# KiCad board pcb-40.kicad_pcb
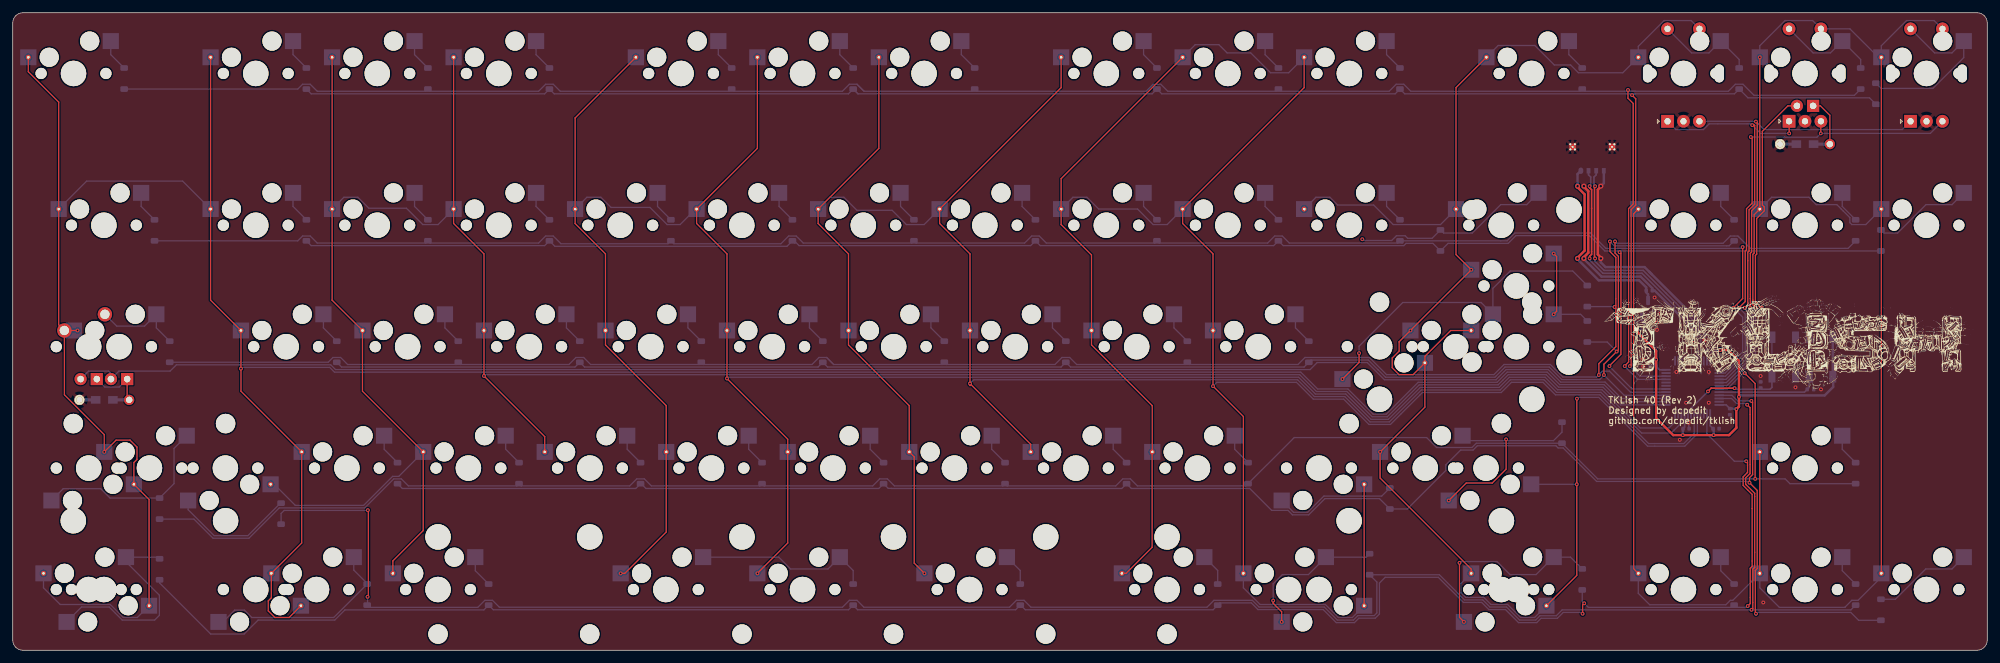
[diagram p0: board, top side]
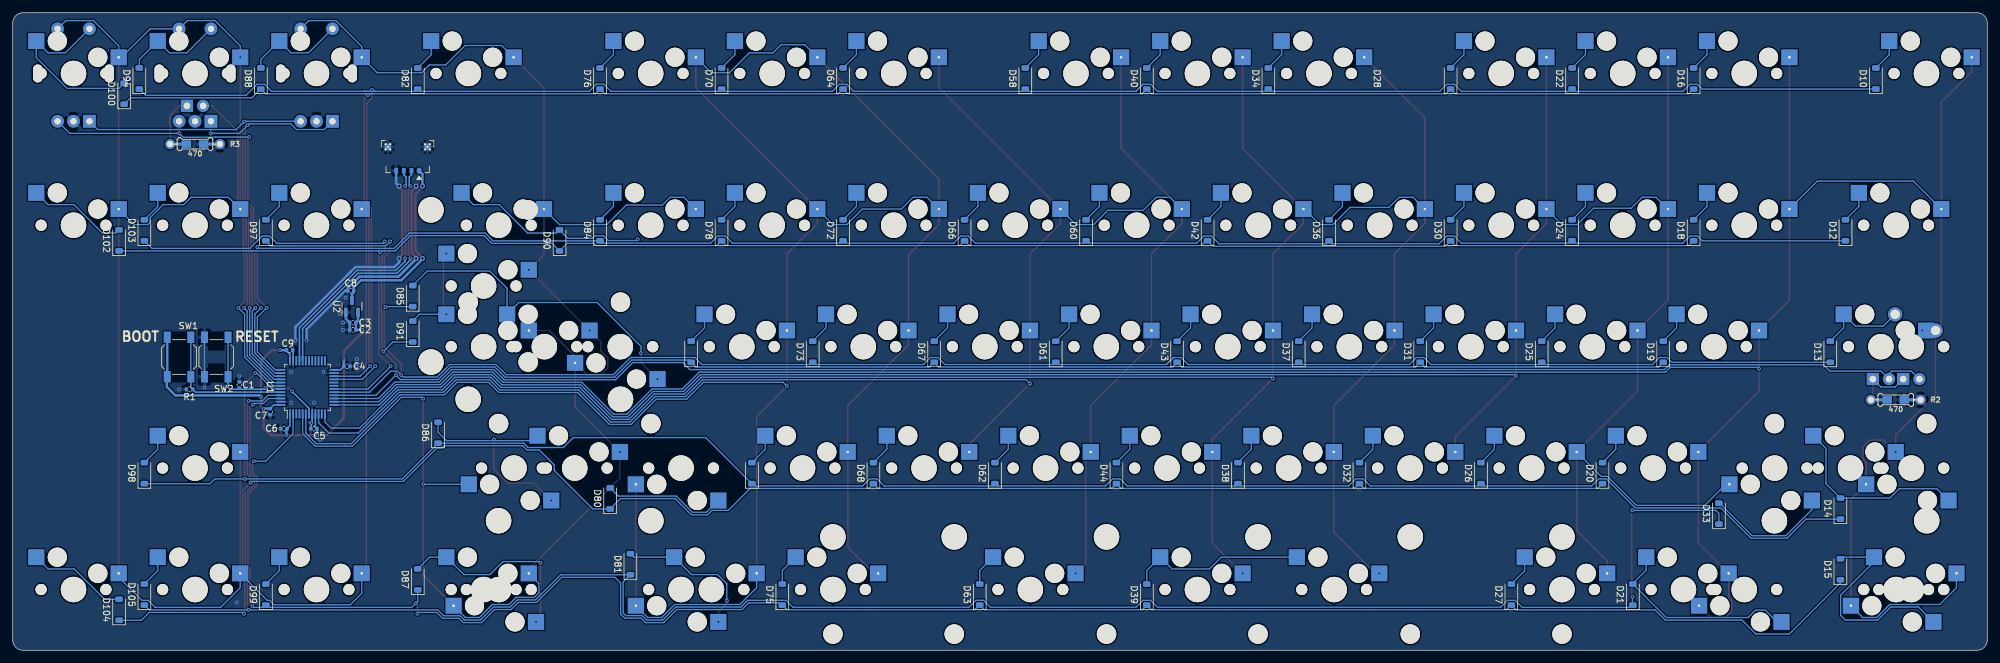
[diagram p1: board, bottom side, seen from below]

Outline 309.56 x 100.01 mm; copper layers: Top, Bottom. Coordinates in mm from the lower left corner of the outline.
Outline path: 0,98.42 0,1.59 arc(0.46,0.46) 1.59,0 307.98,0 arc(309.1,0.47) 309.56,1.59 309.56,98.42 arc(309.1,99.55) 307.98,100.01 1.59,100.01 arc(0.46,99.55) 0,98.42
Stack: Top 0.035mm / dielectric 1.51mm FR4 er 4.5 / Bottom 0.035mm

## Placement (name value [footprint] x y rotation side)
C1  100nF  [C_0402_1005Metric]  274.03 41.62 270 bottom
C2  4.7uF  [C_0402_1005Metric]  256.25 50.26 0 bottom
C3  100nF  [C_0402_1005Metric]  256.25 51.4 0 bottom
C4  100nF  [C_0402_1005Metric]  257.17 44.55 180 bottom
C5  100nF  [C_0402_1005Metric]  262.35 34.77 0 bottom
C6  100nF  [C_0402_1005Metric]  267.05 34.77 0 bottom
C7  100nF  [C_0402_1005Metric]  269.21 37.43 270 bottom
C8  1uF  [C_0402_1005Metric]  256.57 56.42 180 bottom
C9  1uF  [C_0402_1005Metric]  266.16 47.09 0 bottom
D10  ~  [D_SOD-123]  17.46 89.69 90 bottom
D12  ~  [D_SOD-123]  22.22 65.88 90 bottom
D13  ~  [D_SOD-123]  24.61 46.83 90 bottom
D14  ~  [D_SOD-123]  23.02 22.22 90 bottom
D15  ~  [D_SOD-123]  23.02 12.7 90 bottom
D16  ~  [D_SOD-123]  46.04 89.69 90 bottom
D18  ~  [D_SOD-123]  46.04 65.88 90 bottom
D19  ~  [D_SOD-123]  50.8 46.83 90 bottom
D20  ~  [D_SOD-123]  60.32 27.78 90 bottom
D21  ~  [D_SOD-123]  55.56 8.73 90 bottom
D22  ~  [D_SOD-123]  65.09 89.69 90 bottom
D24  ~  [D_SOD-123]  65.09 65.88 90 bottom
D25  ~  [D_SOD-123]  69.85 46.83 90 bottom
D26  ~  [D_SOD-123]  79.38 27.78 90 bottom
D27  ~  [D_SOD-123]  74.61 8.73 90 bottom
D28  ~  [D_SOD-123]  84.14 89.69 90 bottom
D30  ~  [D_SOD-123]  84.14 65.88 90 bottom
D31  ~  [D_SOD-123]  88.9 46.83 90 bottom
D32  ~  [D_SOD-123]  98.42 27.78 90 bottom
D33  ~  [D_SOD-123]  42.07 21.43 90 bottom
D34  ~  [D_SOD-123]  112.71 89.69 90 bottom
D36  ~  [D_SOD-123]  103.19 65.88 90 bottom
D37  ~  [D_SOD-123]  107.95 46.83 90 bottom
D38  ~  [D_SOD-123]  117.47 27.78 90 bottom
D39  ~  [D_SOD-123]  131.76 8.73 90 bottom
D40  ~  [D_SOD-123]  131.76 89.69 90 bottom
D42  ~  [D_SOD-123]  122.24 65.88 90 bottom
D43  ~  [D_SOD-123]  127 46.83 90 bottom
D44  ~  [D_SOD-123]  136.53 27.78 90 bottom
D58  ~  [D_SOD-123]  150.81 89.69 90 bottom
D60  ~  [D_SOD-123]  141.29 65.88 90 bottom
D61  ~  [D_SOD-123]  146.05 46.83 90 bottom
D62  ~  [D_SOD-123]  155.58 27.78 90 bottom
D63  ~  [D_SOD-123]  157.96 8.73 90 bottom
D64  ~  [D_SOD-123]  179.39 89.69 90 bottom
D66  ~  [D_SOD-123]  160.34 65.88 90 bottom
D67  ~  [D_SOD-123]  165.1 46.83 90 bottom
D68  ~  [D_SOD-123]  174.62 27.78 90 bottom
D70  ~  [D_SOD-123]  198.44 89.69 90 bottom
D72  ~  [D_SOD-123]  179.39 65.88 90 bottom
D73  ~  [D_SOD-123]  184.15 46.83 90 bottom
D74  ~  [D_SOD-123]  193.67 27.78 90 bottom
D75  ~  [D_SOD-123]  188.91 8.73 90 bottom
D76  ~  [D_SOD-123]  217.49 89.69 90 bottom
D78  ~  [D_SOD-123]  198.44 65.88 90 bottom
D79  ~  [D_SOD-123]  203.2 46.83 90 bottom
D80  ~  [D_SOD-123]  215.9 23.81 90 bottom
D81  ~  [D_SOD-123]  212.72 13.49 90 bottom
D82  ~  [D_SOD-123]  246.06 89.69 90 bottom
D84  ~  [D_SOD-123]  217.49 65.88 90 bottom
D85  ~  [D_SOD-123]  246.86 55.56 90 bottom
D86  ~  [D_SOD-123]  242.89 34.13 90 bottom
D87  ~  [D_SOD-123]  246.06 11.11 90 bottom
D88  ~  [D_SOD-123]  270.67 89.69 90 bottom
D90  ~  [D_SOD-123]  223.84 64.29 90 bottom
D91  ~  [D_SOD-123]  246.86 50.01 90 bottom
D94  ~  [D_SOD-123]  289.72 89.69 90 bottom
D97  ~  [D_SOD-123]  269.88 65.88 90 bottom
D98  ~  [D_SOD-123]  288.92 27.78 90 bottom
D99  ~  [D_SOD-123]  269.88 8.73 90 bottom
D100  ~  [D_SOD-123]  292.1 87.31 90 bottom
D102  ~  [D_SOD-123]  292.89 64.29 90 bottom
D103  ~  [D_SOD-123]  288.92 65.88 90 bottom
D104  ~  [D_SOD-123]  292.89 6.35 90 bottom
D105  ~  [D_SOD-123]  288.92 8.73 90 bottom
G***  LOGO  [logo_35]  279.02 46.23 0 top
J1  JST  [MOLEX_781710004_MountingReliefs]  247.65 75.22 0 bottom
MX10  MX-NoLED  [MXOnly-1U-Hotswap]  9.53 90.49 0 top
MX12  MX-NoLED  [MXOnly-1.5U-Hotswap]  14.29 66.67 0 top
MX13  MX-LED  [MXOnly-1.75U-Hotswap-LED]  16.67 47.62 0 top
MX13.125  MX-LED  [MXOnly-1.25U]  11.91 47.62 0 top
MX14  MX-NoLED  [MXOnly-2.25U-Hotswap]  21.43 28.58 0 top
MX14.125  MX-NoLED  [MXOnly-1.25U-Hotswap]  11.91 28.57 180 top
MX15  MX-NoLED  [MXOnly-1.25U-Hotswap]  11.91 9.53 0 top
MX15.15  MX-NoLED  [MXOnly-1.5U-Hotswap]  14.29 9.53 180 top
MX16  MX-NoLED  [MXOnly-1U-Hotswap]  38.1 90.49 0 top
MX18  MX-NoLED  [MXOnly-1U-Hotswap]  38.1 66.67 0 top
MX19  MX-NoLED  [MXOnly-1U-Hotswap]  42.86 47.62 0 top
MX20  MX-NoLED  [MXOnly-1U-Hotswap]  52.39 28.57 0 top
MX21  MX-NoLED  [MXOnly-1U-Hotswap]  47.62 9.53 0 top
MX21.15  MX-NoLED  [MXOnly-1.5U-Hotswap]  38.1 9.53 180 top
MX22  MX-NoLED  [MXOnly-1U-Hotswap]  57.15 90.49 0 top
MX24  MX-NoLED  [MXOnly-1U-Hotswap]  57.15 66.67 0 top
MX25  MX-NoLED  [MXOnly-1U-Hotswap]  61.91 47.62 0 top
MX26  MX-NoLED  [MXOnly-1U-Hotswap]  71.44 28.57 0 top
MX27  MX-NoLED  [MXOnly-1U-Hotswap]  66.67 9.53 0 top
MX28  MX-NoLED  [MXOnly-1U-Hotswap]  76.2 90.49 0 top
MX30  MX-NoLED  [MXOnly-1U-Hotswap]  76.2 66.67 0 top
MX31  MX-NoLED  [MXOnly-1U-Hotswap]  80.96 47.62 0 top
MX32  MX-NoLED  [MXOnly-1U-Hotswap]  90.49 28.57 0 top
MX33  MX-NoLED  [MXOnly-1U-Hotswap]  33.34 28.57 180 top
MX34  MX-NoLED  [MXOnly-1U-Hotswap]  104.78 90.49 0 top
MX36  MX-NoLED  [MXOnly-1U-Hotswap]  95.25 66.67 0 top
MX37  MX-NoLED  [MXOnly-1U-Hotswap]  100.01 47.62 0 top
MX38  MX-NoLED  [MXOnly-1U-Hotswap]  109.54 28.57 0 top
MX39  MX-NoLED  [MXOnly-7U-Hotswap-ReversedStabilizers]  123.83 9.53 0 top
MX39.275  MX-NoLED  [MXOnly-2.75U-Hotswap-ReversedStabilizers]  102.39 9.53 0 top
MX40  MX-NoLED  [MXOnly-1U-Hotswap]  123.83 90.49 0 top
MX42  MX-NoLED  [MXOnly-1U-Hotswap]  114.3 66.67 0 top
MX43  MX-NoLED  [MXOnly-1U-Hotswap]  119.06 47.62 0 top
MX44  MX-NoLED  [MXOnly-1U-Hotswap]  128.59 28.57 0 top
MX58  MX-NoLED  [MXOnly-1U-Hotswap]  142.87 90.49 0 top
MX60  MX-NoLED  [MXOnly-1U-Hotswap]  133.35 66.67 0 top
MX61  MX-NoLED  [MXOnly-1U-Hotswap]  138.11 47.62 0 top
MX62  MX-NoLED  [MXOnly-1U-Hotswap]  147.64 28.57 0 top
MX63  MX-NoLED  [MXOnly-2.25U-Hotswap-ReversedStabilizers]  150.02 9.53 0 top
MX64  MX-NoLED  [MXOnly-1U-Hotswap]  171.45 90.49 0 top
MX66  MX-NoLED  [MXOnly-1U-Hotswap]  152.4 66.67 0 top
MX67  MX-NoLED  [MXOnly-1U-Hotswap]  157.16 47.62 0 top
MX68  MX-NoLED  [MXOnly-1U-Hotswap]  166.69 28.57 0 top
MX70  MX-NoLED  [MXOnly-1U-Hotswap]  190.5 90.49 0 top
MX72  MX-NoLED  [MXOnly-1U-Hotswap]  171.45 66.67 0 top
MX73  MX-NoLED  [MXOnly-1U-Hotswap]  176.21 47.62 0 top
MX74  MX-NoLED  [MXOnly-1U-Hotswap]  185.74 28.57 0 top
MX75  MX-NoLED  [MXOnly-1U-Hotswap]  180.97 9.53 0 top
MX76  MX-NoLED  [MXOnly-1U-Hotswap]  209.55 90.49 0 top
MX78  MX-NoLED  [MXOnly-1U-Hotswap]  190.5 66.67 0 top
MX79  MX-NoLED  [MXOnly-1U-Hotswap]  195.26 47.62 0 top
MX80  MX-NoLED  [MXOnly-1U-Hotswap]  204.79 28.57 180 top
MX81  MX-NoLED  [MXOnly-1U-Hotswap]  200.03 9.53 0 top
MX81.15  MX-NoLED  [MXOnly-1.5U-Hotswap]  204.79 9.53 180 top
MX82  MX-NoLED  [MXOnly-1U-Hotswap]  238.12 90.49 0 top
MX84  MX-NoLED  [MXOnly-1U-Hotswap]  209.55 66.67 0 top
MX85  MX-NoLED  [MXOnly-2.25U-Hotswap]  226.22 47.63 0 top
MX85#2  MX-NoLED  [MXOnly-1U-Hotswap]  214.31 47.62 180 top
MX86  MX-NoLED  [MXOnly-2.75U-Hotswap]  221.46 28.58 0 top
MX86.175  MX-NoLED  [MXOnly-1.75U-Hotswap]  230.98 28.57 180 top
MX87  MX-NoLED  [MXOnly-1.25U-Hotswap]  235.74 9.53 0 top
MX87.15  MX-NoLED  [MXOnly-1.5U-Hotswap]  233.36 9.53 180 top
MX88  MX-NoLED  [MXOnly-1U-Hotswap]  261.94 90.49 0 top
MX90  MX-NoLED  [MXOnly-1.5U-Hotswap]  233.36 66.67 0 top
MX91  MX-NoLED  [MXOnly-1.25U-Hotswap]  235.74 47.62 0 top
MX91.2  MX-NoLED  [MXOnly-ISO-Hotswap]  235.74 57.15 0 top
MX94  MX-LED  [MXOnly-1U-Hotswap-LED]  280.99 90.49 0 top
MX97  MX-NoLED  [MXOnly-1U-Hotswap]  261.94 66.67 0 top
MX98  MX-NoLED  [MXOnly-1U-Hotswap]  280.99 28.57 0 top
MX99  MX-NoLED  [MXOnly-1U-Hotswap]  261.94 9.53 0 top
MX100  MX-NoLED  [MXOnly-1U-Hotswap]  300.04 90.49 0 top
MX102  MX-NoLED  [MXOnly-1U-Hotswap]  300.04 66.67 0 top
MX103  MX-NoLED  [MXOnly-1U-Hotswap]  280.99 66.67 0 top
MX104  MX-NoLED  [MXOnly-1U-Hotswap]  300.04 9.53 0 top
MX105  MX-NoLED  [MXOnly-1U-Hotswap]  280.99 9.53 0 top
R1  10k  [R_0402_1005Metric]  281.84 40.93 180 bottom
R2  470  [Resistor-Hybrid-Back]  14.35 39.28 0 top
R3  470  [Resistor-Hybrid-Back]  280.99 79.4 0 top
SW1  RST  [SW_SPST_SKQG_WithoutStem]  283.5 46.01 90 bottom
SW2  RST  [SW_SPST_SKQG_WithoutStem]  277.65 46.01 90 bottom
SWR1  RotaryEncoder_Switch  [RotaryEncoder_EC11_Nonplated]  261.94 90.49 90 top
SWR2  RotaryEncoder_Switch  [RotaryEncoder_EC11_Nonplated]  280.99 90.49 90 top
SWR3  RotaryEncoder_Switch  [RotaryEncoder_EC11_Nonplated]  300.04 90.49 90 top
U1  STM32F072C8Tx  [LQFP-48_7x7mm_P0.5mm]  263.37 41.24 90 bottom
U2  XC6206PxxxMR-Regulator_Linear  [SOT-23]  256.38 53.95 90 bottom

## Library data of the parts
C1 C3-C7 = -: LCSC: C307331; ki_fp_filters: C_*
C2 = -: LCSC: C23733; ki_fp_filters: C_*
C8 C9 = -: LCSC: C52923; ki_fp_filters: C_*
D10 D12-D16 D18-D22 D24-D28 D30-D34 D36-D40 D42-D44 D58 D60-D64 D66-D68 D70 D72-D76 D78-D82 D84-D88 D90 D91 D94 D97-D100 D102-D105 = -: LCSC: C81598; ki_fp_filters: TO-???* *_Diode_* *SingleDiode* D_*
J1 = -: LCSC: C588524; ki_fp_filters: Connector*:*_1x??-1MP*
R1 = -: LCSC: C25744; ki_fp_filters: R_*
R2 R3 = -: ki_fp_filters: R_*
SW1 SW2 = -: LCSC: C318884
SWR1-SWR3 = -: ki_fp_filters: RotaryEncoder*Switch*
U1 = -: Datasheet: http://www.st.com/st-web-ui/static/active/en/resource/technical/document/datasheet/DM00090510.pdf; LCSC: C80488; ki_fp_filters: LQFP*7x7mm*P0.5mm*
U2 = -: Datasheet: https://www.torexsemi.com/file/xc6206/XC6206.pdf; LCSC: C5446; ki_fp_filters: SOT?23*

## Footprints (pads in the part's own frame, mm; a bottom-side part is the same pattern mirrored in y, then rotated)
C_0402_1005Metric
  rrect 0.56x0.62 smd: 1(-0.48,0) 2(0.48,0)
D_SOD-123
  rrect 0.9x1.2 smd: 1(-1.65,0) 2(1.65,0)
LQFP-48_7x7mm_P0.5mm
  rrect 1.475x0.3 smd: 1(-4.162,2.75) 2(-4.162,2.25) 3(-4.162,1.75) 4(-4.162,1.25) 5(-4.162,0.75) 6(-4.162,0.25) 7(-4.162,-0.25) 8(-4.162,-0.75) 9(-4.162,-1.25) 10(-4.162,-1.75) 11(-4.162,-2.25) 12(-4.162,-2.75) 25(4.162,-2.75) 26(4.162,-2.25) 27(4.162,-1.75) 28(4.162,-1.25) 29(4.162,-0.75) 30(4.162,-0.25) 31(4.162,0.25) 32(4.162,0.75) 33(4.162,1.25) 34(4.162,1.75) 35(4.162,2.25) 36(4.162,2.75)
  rrect 0.3x1.475 smd: 13(-2.75,-4.162) 14(-2.25,-4.162) 15(-1.75,-4.162) 16(-1.25,-4.162) 17(-0.75,-4.162) 18(-0.25,-4.162) 19(0.25,-4.162) 20(0.75,-4.162) 21(1.25,-4.162) 22(1.75,-4.162) 23(2.25,-4.162) 24(2.75,-4.162) 37(2.75,4.162) 38(2.25,4.162) 39(1.75,4.162) 40(1.25,4.162) 41(0.75,4.162) 42(0.25,4.162) 43(-0.25,4.162) 44(-0.75,4.162) 45(-1.25,4.162) 46(-1.75,4.162) 47(-2.25,4.162) 48(-2.75,4.162)
MOLEX_781710004_MountingReliefs
  rrect 0.75x1 smd: 1(-1.8,0)
  rect 0.6x0.85 smd: 2(-0.6,0) 3(0.6,0) 4(1.8,0)
  round 0.4 hole 0.3: MP(-3.45,-4.15) MP(-3.45,-3.35) MP(-3.1,-3.75) MP(-2.75,-4.15) MP(-2.75,-3.35) MP(2.75,-4.15) MP(2.75,-3.35) MP(3.1,-3.75) MP(3.45,-4.15) MP(3.45,-3.35)
  rect 1x1 smd far side: MP(-3.1,-3.75) MP(3.1,-3.75)
  rect 1x1 smd: MP(-3.1,-3.75) MP(3.1,-3.75)
MXOnly-1.5U-Hotswap
  round 1.75 hole 1.75 unplated: (-5.08,0) (5.08,0)
  round 3 hole 3 unplated: (-3.81,2.54) (2.54,5.08)
  round 3.988 hole 3.988 unplated: (0,0)
  round 0.8 hole 0.4: 1(-7.085,2.54)
  rect 2.55x2.5 smd far side: 1(-7.085,2.54) 2(5.842,5.08)
MXOnly-1.25U
  round 1.75 hole 1.75 unplated: (-5.08,0) (5.08,0)
  round 3.988 hole 3.988 unplated: (0,0)
  round 2.25 hole 1.47: 1(-3.81,2.54) 2(2.54,5.08)
  round 1.905 hole 1.04: 3(-1.27,-5.08)
  rect 1.905x1.905 hole 1.04: 4(1.27,-5.08)
MXOnly-1.25U-Hotswap
  round 1.75 hole 1.75 unplated: (-5.08,0) (5.08,0)
  round 3 hole 3 unplated: (-3.81,2.54) (2.54,5.08)
  round 3.988 hole 3.988 unplated: (0,0)
  round 0.8 hole 0.4: 1(-7.085,2.54)
  rect 2.55x2.5 smd far side: 1(-7.085,2.54) 2(5.842,5.08)
MXOnly-1.75U-Hotswap
  round 1.75 hole 1.75 unplated: (-5.08,0) (5.08,0)
  round 3 hole 3 unplated: (-3.81,2.54) (2.54,5.08)
  round 3.988 hole 3.988 unplated: (0,0)
  rect 2.55x2.5 smd far side: 1(-7.085,2.54) 2(5.842,5.08)
MXOnly-1.75U-Hotswap-LED
  round 1.75 hole 1.75 unplated: (-5.08,0) (5.08,0)
  round 3 hole 3 unplated: (-3.81,2.54) (2.54,5.08)
  round 3.988 hole 3.988 unplated: (0,0)
  rect 2.55x2.5 smd far side: 1(-7.085,2.54) 2(5.842,5.08)
  round 1.905 hole 1.04: 3(-1.27,-5.08)
  rect 1.905x1.905 hole 1.04: 4(1.27,-5.08)
MXOnly-1U-Hotswap
  round 1.75 hole 1.75 unplated: (-5.08,0) (5.08,0)
  round 3 hole 3 unplated: (-3.81,2.54) (2.54,5.08)
  round 3.988 hole 3.988 unplated: (0,0)
  round 0.8 hole 0.4: 1(-7.085,2.54)
  rect 2.55x2.5 smd far side: 1(-7.085,2.54) 2(5.842,5.08)
MXOnly-1U-Hotswap-LED
  round 1.75 hole 1.75 unplated: (-5.08,0) (5.08,0)
  round 3 hole 3 unplated: (-3.81,2.54) (2.54,5.08)
  round 3.988 hole 3.988 unplated: (0,0)
  rect 2.55x2.5 smd far side: 1(-7.085,2.54) 2(5.842,5.08)
  round 1.905 hole 1.04: 3(-1.27,-5.08)
  rect 1.905x1.905 hole 1.04: 4(1.27,-5.08)
MXOnly-2.25U-Hotswap
  round 3.048 hole 3.048 unplated: (-11.938,6.985) (11.938,6.985)
  round 3.988 hole 3.988 unplated: (-11.938,-8.255) (0,0) (11.938,-8.255)
  round 1.75 hole 1.75 unplated: (-5.08,0) (5.08,0)
  round 3 hole 3 unplated: (-3.81,2.54) (2.54,5.08)
  rect 2.55x2.5 smd far side: 1(-7.085,2.54) 2(5.842,5.08)
MXOnly-2.25U-Hotswap-ReversedStabilizers
  round 3.988 hole 3.988 unplated: (-11.938,8.255) (0,0) (11.938,8.255)
  round 3.048 hole 3.048 unplated: (-11.938,-6.985) (11.938,-6.985)
  round 1.75 hole 1.75 unplated: (-5.08,0) (5.08,0)
  round 3 hole 3 unplated: (-3.81,2.54) (2.54,5.08)
  rect 2.55x2.5 smd far side: 1(-7.085,2.54) 2(5.842,5.08)
MXOnly-2.75U-Hotswap
  round 3.048 hole 3.048 unplated: (-11.938,6.985) (11.938,6.985)
  round 3.988 hole 3.988 unplated: (-11.938,-8.255) (0,0) (11.938,-8.255)
  round 1.75 hole 1.75 unplated: (-5.08,0) (5.08,0)
  round 3 hole 3 unplated: (-3.81,2.54) (2.54,5.08)
  rect 2.55x2.5 smd far side: 1(-7.085,2.54) 2(5.842,5.08)
MXOnly-2.75U-Hotswap-ReversedStabilizers
  round 3.988 hole 3.988 unplated: (-11.938,8.255) (0,0) (11.938,8.255)
  round 3.048 hole 3.048 unplated: (-11.938,-6.985) (11.938,-6.985)
  round 1.75 hole 1.75 unplated: (-5.08,0) (5.08,0)
  round 3 hole 3 unplated: (-3.81,2.54) (2.54,5.08)
  rect 2.55x2.5 smd far side: 1(-7.085,2.54) 2(5.842,5.08)
MXOnly-7U-Hotswap-ReversedStabilizers
  round 3.988 hole 3.988 unplated: (-57.15,8.255) (0,0) (57.15,8.255)
  round 3.048 hole 3.048 unplated: (-57.15,-6.985) (57.15,-6.985)
  round 1.75 hole 1.75 unplated: (-5.08,0) (5.08,0)
  round 3 hole 3 unplated: (-3.81,2.54) (2.54,5.08)
  rect 2.55x2.5 smd far side: 1(-7.085,2.54) 2(5.842,5.08)
MXOnly-ISO-Hotswap
  round 3.048 hole 3.048 unplated: (-6.985,11.938) (-6.985,-11.938)
  round 1.75 hole 1.75 unplated: (-5.08,0) (5.08,0)
  round 3 hole 3 unplated: (-3.81,2.54) (2.54,5.08)
  round 3.988 hole 3.988 unplated: (0,0) (8.255,11.938) (8.255,-11.938)
  rect 2.55x2.5 smd far side: 1(-7.085,2.54) 2(5.842,5.08)
R_0402_1005Metric
  rrect 0.54x0.64 smd: 1(-0.51,0) 2(0.51,0)
Resistor-Hybrid-Back
  rect 1.5x1.2 smd far side: 1(1.35,0) 2(-1.35,0)
  rect 2.9x0.5 smd far side: 1(2.5,0) 2(-2.5,0)
  round 1.6 hole 1: 1(3.9,0) 2(-3.9,0)
RotaryEncoder_EC11_Nonplated
  oval 3.2x2 hole 2.8x1.5 unplated: (0,5.6) (0,-5.6)
  rect 2x2 hole 1: A(-7.5,2.5)
  round 2 hole 1: B(-7.5,-2.5) C(-7.5,0) S1(7,-2.5) S2(7,2.5)
SOT-23
  rrect 1.475x0.6 smd: 1(-0.938,0.95) 2(-0.938,-0.95) 3(0.938,0)
SW_SPST_SKQG_WithoutStem
  rect 1.8x1.1 smd: 1(-3.1,1.85) 1(3.1,1.85) 2(-3.1,-1.85) 2(3.1,-1.85)

## Nets
+3V3: C2.1 C3.1 C4.1 C5.1 C6.1 C7.1 C9.2 SW1.1 U1.1 U1.9 U1.24 U1.36 U1.48 U2.2
+5V: C8.2 J1.1 U2.3
GND: C1.1 C2.2 C3.2 C4.2 C5.2 C6.2 C7.2 C8.1 C9.1 J1.4 J1.MP R1.1 R2.2 R3.2 SW2.1 SWR1.C SWR2.C SWR3.C U1.8 U1.23 U1.35 U1.47 U2.1
BOOT0: R1.2 SW1.2 U1.44
COL0: MX10.1 MX12.1 MX13.1 MX13.125.1 MX14.1 MX14.125.1 MX15.1 MX15.15.1 MX16.1 MX18.1 MX19.1 MX20.1 MX21.1 MX21.15.1 U1.14
COL1: MX22.1 MX24.1 MX25.1 MX26.1 MX27.1 MX28.1 MX30.1 MX31.1 MX32.1 MX33.1 U1.13
COL2: MX34.1 MX36.1 MX37.1 MX38.1 MX39.1 MX39.275.1 MX40.1 MX42.1 MX43.1 MX44.1 U1.12
COL4: MX58.1 MX60.1 MX61.1 MX62.1 MX63.1 MX64.1 MX66.1 MX67.1 MX68.1 U1.10
COL5: MX70.1 MX72.1 MX73.1 MX74.1 MX75.1 MX76.1 MX78.1 MX79.1 MX80.1 MX81.1 MX81.15.1 U1.6
COL6: MX82.1 MX84.1 MX85.1 MX85#2.1 MX86.1 MX86.175.1 MX87.1 MX87.15.1 MX88.1 MX90.1 MX91.1 MX91.2.1 SWR1.S1 U1.5
COL7: MX94.1 MX97.1 MX98.1 MX99.1 MX100.1 MX102.1 MX103.1 MX104.1 MX105.1 SWR2.S1 SWR3.S1 U1.41
D_N: J1.2 U1.32
D_P: J1.3 U1.33
LED_CAPS: MX13.3 MX13.125.3 U1.15
LED_SLCK: MX94.3 U1.42
NRST: C1.2 SW2.2 U1.7
RE1: SWR1.A SWR2.A U1.39
RE2: SWR1.B SWR3.A U1.40
RE3: SWR2.B SWR3.B U1.38
ROW0: D10.1 D22.1 D34.1 D58.1 D70.1 D82.1 D94.1 U1.21
ROW2: D12.1 D24.1 D36.1 D60.1 D72.1 D84.1 U1.37
ROW3: D13.1 D25.1 D37.1 D61.1 D73.1 D85.1 D97.1 U1.17
ROW4: D14.1 D26.1 D38.1 D62.1 D74.1 D86.1 D98.1 U1.43
ROW5: D15.1 D27.1 D39.1 D63.1 D75.1 D87.1 D99.1 U1.2
ROW6: D16.1 D28.1 D40.1 D64.1 D76.1 D88.1 D100.1 U1.22
ROW8: D18.1 D30.1 D42.1 D66.1 D78.1 D90.1 D102.1 U1.18
ROW9: D19.1 D31.1 D43.1 D67.1 D79.1 D91.1 D103.1 U1.16
ROW10: D20.1 D32.1 D44.1 D68.1 D80.1 D104.1 U1.45
ROW11: D21.1 D33.1 D81.1 D105.1 U1.46
SWDCLK: U1.31
SWDIO: U1.34
Net-(D10-A): D10.2 MX10.2
Net-(D12-A): D12.2 MX12.2
Net-(D13-A): D13.2 MX13.2 MX13.125.2
Net-(D14-A): D14.2 MX14.2 MX14.125.2
Net-(D15-A): D15.2 MX15.2 MX15.15.2
Net-(D16-A): D16.2 MX16.2
Net-(D18-A): D18.2 MX18.2
Net-(D19-A): D19.2 MX19.2
Net-(D20-A): D20.2 MX20.2
Net-(D21-A): D21.2 MX21.2 MX21.15.2
Net-(D22-A): D22.2 MX22.2
Net-(D24-A): D24.2 MX24.2
Net-(D25-A): D25.2 MX25.2
Net-(D26-A): D26.2 MX26.2
Net-(D27-A): D27.2 MX27.2
Net-(D28-A): D28.2 MX28.2
Net-(D30-A): D30.2 MX30.2
Net-(D31-A): D31.2 MX31.2
Net-(D32-A): D32.2 MX32.2
Net-(D33-A): D33.2 MX33.2
Net-(D34-A): D34.2 MX34.2
Net-(D36-A): D36.2 MX36.2
Net-(D37-A): D37.2 MX37.2
Net-(D38-A): D38.2 MX38.2
Net-(D39-A): D39.2 MX39.2 MX39.275.2
Net-(D40-A): D40.2 MX40.2
Net-(D42-A): D42.2 MX42.2
Net-(D43-A): D43.2 MX43.2
Net-(D44-A): D44.2 MX44.2
Net-(D58-A): D58.2 MX58.2
Net-(D60-A): D60.2 MX60.2
Net-(D61-A): D61.2 MX61.2
Net-(D62-A): D62.2 MX62.2
Net-(D63-A): D63.2 MX63.2
Net-(D64-A): D64.2 MX64.2
Net-(D66-A): D66.2 MX66.2
Net-(D67-A): D67.2 MX67.2
Net-(D68-A): D68.2 MX68.2
Net-(D70-A): D70.2 MX70.2
Net-(D72-A): D72.2 MX72.2
Net-(D73-A): D73.2 MX73.2
Net-(D74-A): D74.2 MX74.2
Net-(D75-A): D75.2 MX75.2
Net-(D76-A): D76.2 MX76.2
Net-(D78-A): D78.2 MX78.2
Net-(D79-A): D79.2 MX79.2
Net-(D80-A): D80.2 MX80.2
Net-(D81-A): D81.2 MX81.2 MX81.15.2
Net-(D82-A): D82.2 MX82.2